# KiCad board CONEPROJ.kicad_pcb (continued)
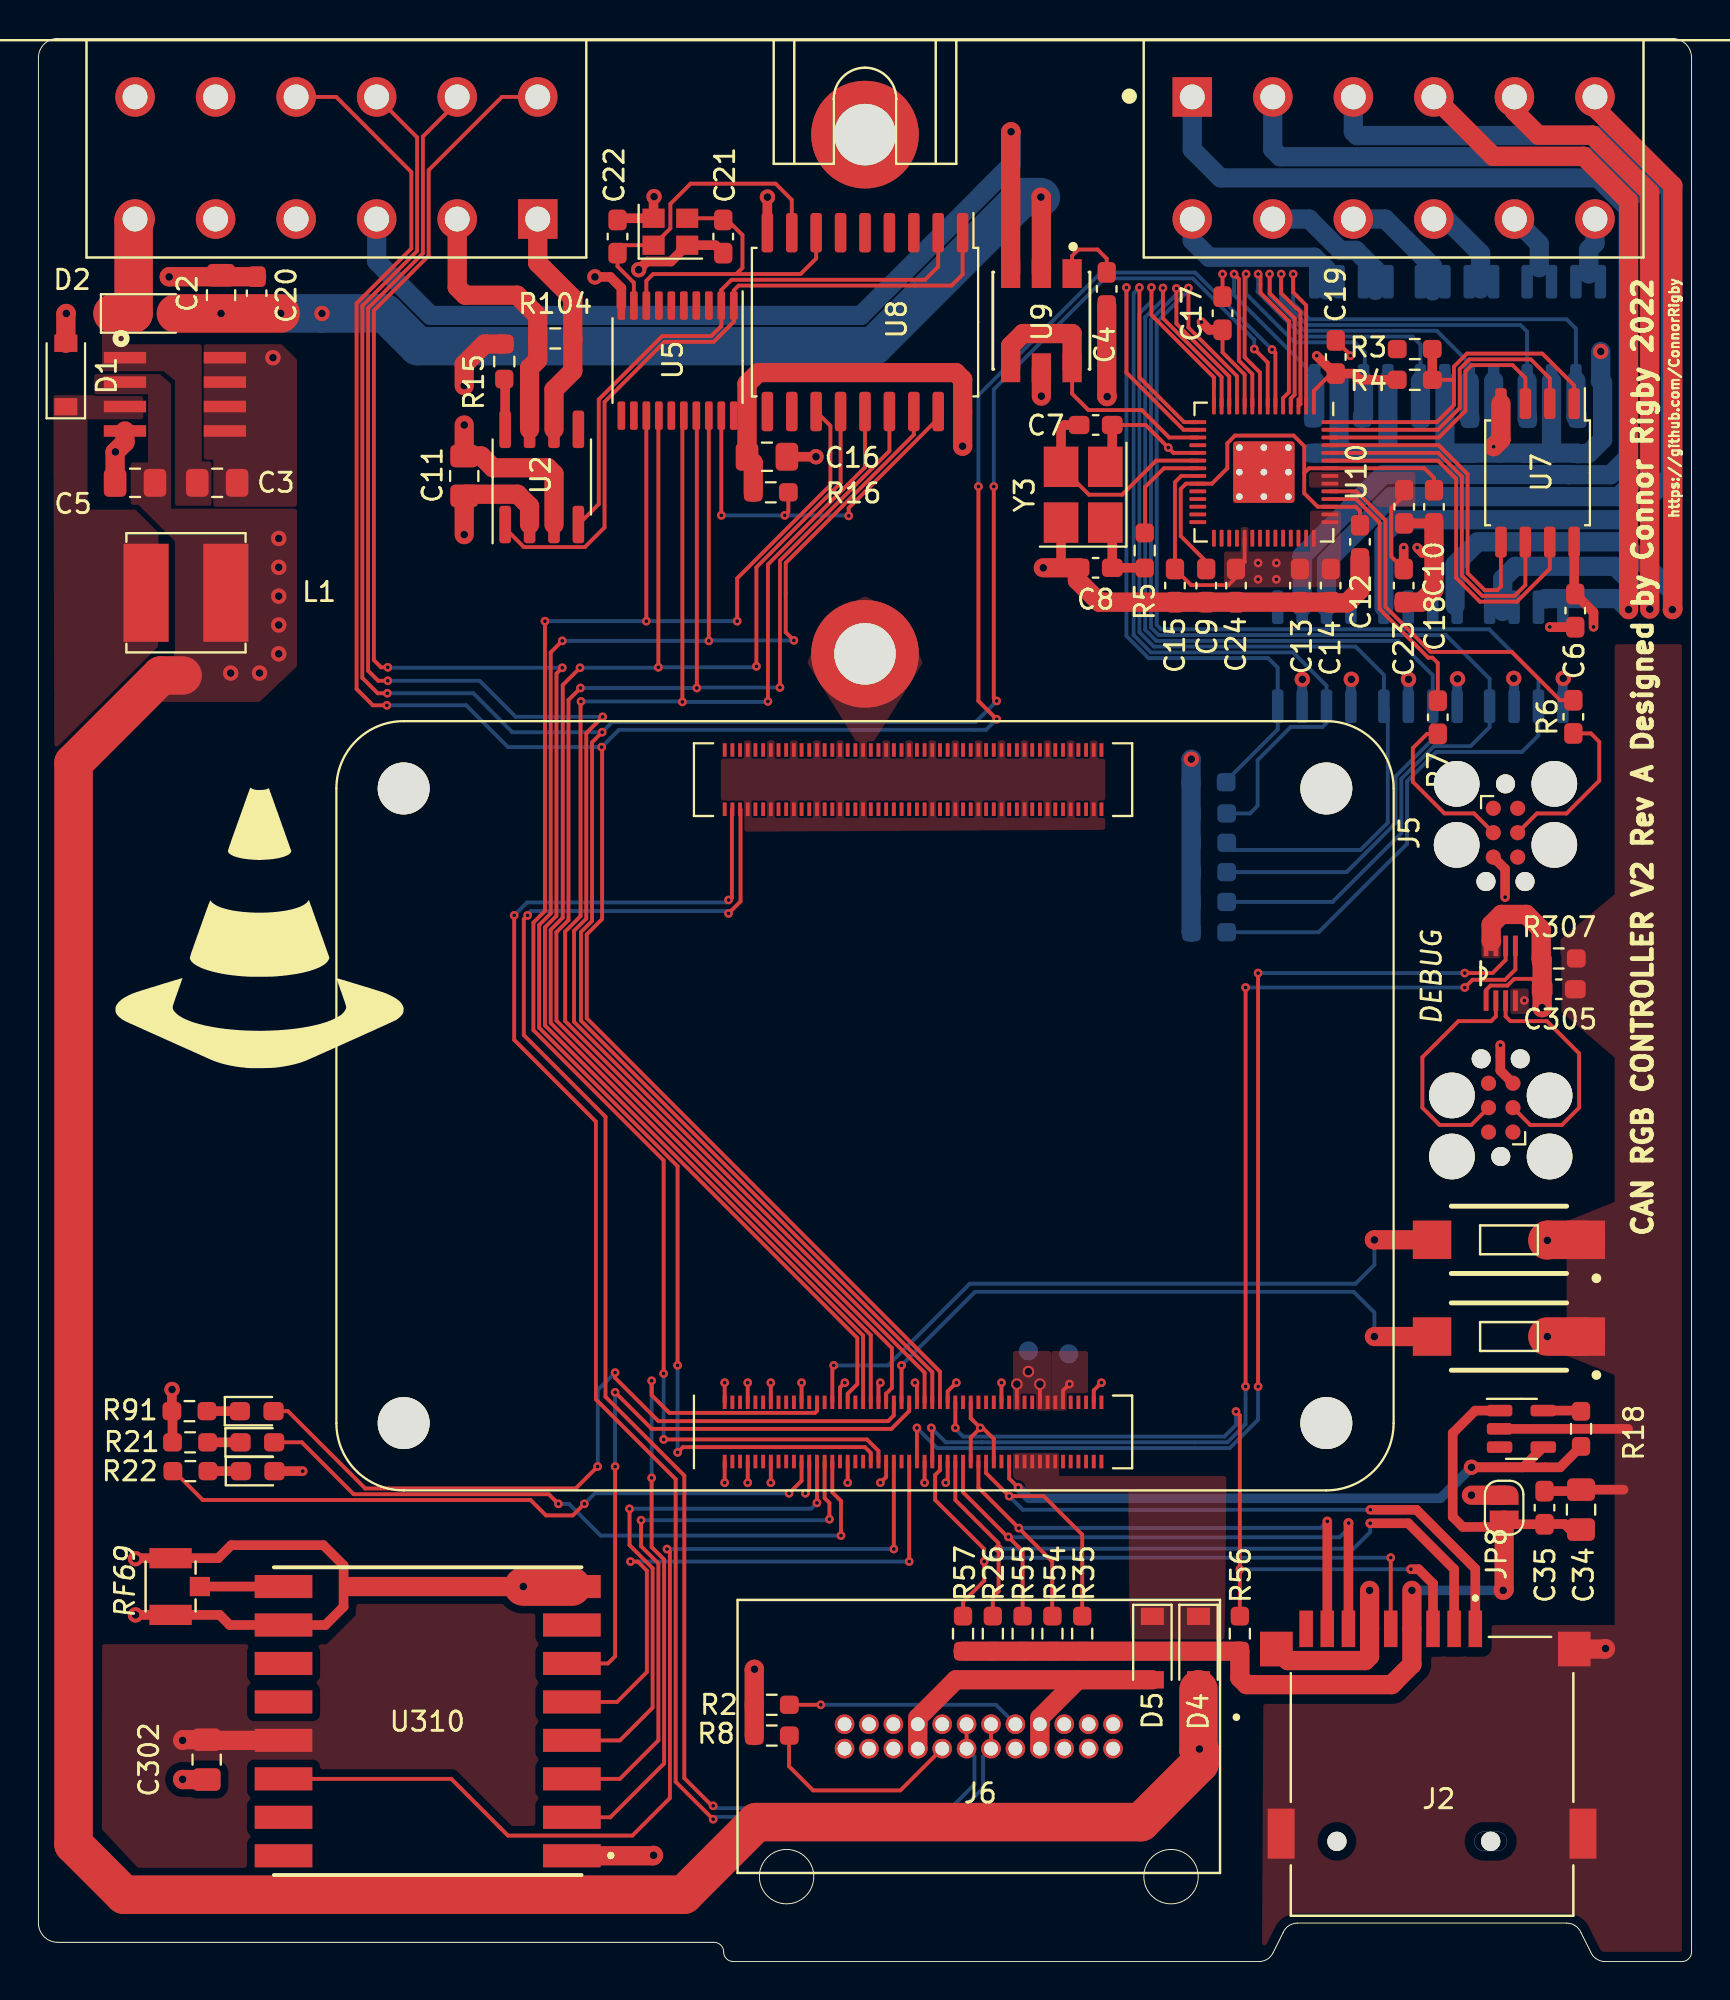
[diagram p0: board, top side]
## Footprints (pads in the part's own frame, mm; a bottom-side part is the same pattern mirrored in y, then rotated) (continued)
TE_DTM1312PA12PBR008
  rect 2.056x2.056 hole 1.294: A1(-17.025,-1.96) B1(17.025,4.39)
  round 2.056 hole 1.294: A2(-21.215,-1.96) A3(-25.405,-1.96) A4(-29.595,-1.96) A5(-33.785,-1.96) A6(-37.975,-1.96) A7(-37.975,4.39) A8(-33.785,4.39) A9(-29.595,4.39) A10(-25.405,4.39) A11(-21.215,4.39) A12(-17.025,4.39) B2(21.215,4.39) B3(25.405,4.39) B4(29.595,4.39) B5(33.785,4.39) B6(37.975,4.39) B7(37.975,-1.96) B8(33.785,-1.96) B9(29.595,-1.96) B10(25.405,-1.96) B11(21.215,-1.96) B12(17.025,-1.96)
TestPoint_Pad_D1.0mm
  round 1 smd: 1(0,0)
TSSOP-20_4.4x6.5mm_P0.65mm
  rrect 1.475x0.4 smd: 1(-2.862,2.925) 2(-2.862,2.275) 3(-2.862,1.625) 4(-2.862,0.975) 5(-2.862,0.325) 6(-2.862,-0.325) 7(-2.862,-0.975) 8(-2.862,-1.625) 9(-2.862,-2.275) 10(-2.862,-2.925) 11(2.862,-2.925) 12(2.862,-2.275) 13(2.862,-1.625) 14(2.862,-0.975) 15(2.862,-0.325) 16(2.862,0.325) 17(2.862,0.975) 18(2.862,1.625) 19(2.862,2.275) 20(2.862,2.925)
worldsemi-WS2815B-MFG
  rect 1.5x1 smd: 1(-2.45,1.6) 2(-2.45,0) 3(-2.45,-1.6) 4(2.45,-1.6) 5(2.45,0) 6(2.45,1.6)
WURTH_693071020811
  round 1 hole 1 unplated: (-4.95,0) (3.05,0)
  rect 0.7x1.9 smd: 1(2.25,11.05) 2(1.15,11.05) 3(0.05,11.05) 4(-1.05,11.05) 5(-2.15,11.05) 6(-3.25,11.05) 7(-4.35,11.05) 8(-5.45,11.05) 9(-6.55,11.05)
  rect 1.7x1.8 smd: 10(-8.1,10) 11(7.4,10)
  rect 1.4x2.6 smd: 12(-7.85,0.4) 13(7.85,0.4)
XCVR_RFM69HW
  rect 3x1.2 smd: 1(-7.5,7) 2(-7.5,5) 3(-7.5,3) 4(-7.5,1) 5(-7.5,-1) 6(-7.5,-3) 7(-7.5,-5) 8(-7.5,-7) 9(7.5,-7) 10(7.5,-5) 11(7.5,-3) 12(7.5,-1) 13(7.5,1) 14(7.5,3) 15(7.5,5) 16(7.5,7)

## Nets
+1V1: C9.1 C10.1 C12.1 U10.23 U10.45 U10.50
+1V8: Module2.88 Module2.90 TP3.1
+3V3: C6.1 C11.1 C13.1 C14.1 C15.1 C16.1 C17.1 C18.1 C19.1 C23.1 C24.1 C302.2 C305.2 D301.2 JP8.1 Module2.78 Module2.84 Module2.86 R4.2 R16.1 R307.1 TP2.1 U2.3 U5.20 U7.8 U8.18 U10.1 U10.10 U10.22 U10.33 U10.42 U10.43 U10.44 U10.48 U10.49 U310.13 U311.1 U311.7 U311.8
+5V: C5.1 D4.2 L1.2 U304.2
/VIN: C3.1 D2.1 J4.B6 U304.1
GND: C2.2 C3.2 C4.2 C5.2 C6.2 C7.2 C8.1 C9.2 C10.2 C11.2 C12.2 C13.2 C14.2 C15.2 C16.2 C17.2 C18.2 C19.2 C20.2 C21.2 C22.1 C23.2 C24.2 C34.2 C35.2 C302.1 C305.1 D1.2 H302.1 H304.1 J2.6 J2.10 J2.11 J2.12 J2.13 J4.B7 J5.5 J6.A1 J6.A12 J6.B1 J6.B12 J304.1 J304.3 J311.5 MOD301.1 Module2.1 Module2.2 Module2.7 Module2.8 Module2.13 Module2.14 Module2.22 Module2.23 Module2.32 Module2.33 Module2.42 Module2.43 Module2.52 Module2.53 Module2.59 Module2.60 Module2.65 Module2.66 Module2.71 Module2.74 Module2.98 Module2.107 Module2.108 Module2.113 Module2.114 Module2.119 Module2.120 Module2.125 Module2.126 Module2.131 Module2.132 Module2.137 Module2.138 Module2.144 Module2.150 Module2.155 Module2.156 Module2.161 Module2.162 Module2.167 Module2.168 Module2.173 Module2.174 Module2.179 Module2.180 Module2.185 Module2.186 Module2.191 Module2.192 Module2.197 Module2.198 PAU301.1 Q2.1 Q2.3 Q3.1 Q3.3 Q4.1 Q4.3 Q5.1 Q5.3 Q6.1 Q6.3 Q7.1 Q7.3 R2.2 R8.1 R9.2 R10.2 R13.2 R14.2 R15.2 R21.2 R23.2 R24.2 R27.2 R29.2 R31.2 R91.2 R302.2 R303.2 R304.2 R307.2 U2.2 U5.10 U6.2 U7.4 U8.9 U9.5 U10.19 U10.57 U304.4 U304.5 U304.6 U304.7 U304.8 U310.1 U310.8 U310.10 U311.4 Y2.2 Y2.4 Y3.2 Y3.4
VCC: C2.1 C20.1 D2.2 U9.2
/B_OUT: J4.A12 Q7.5 Q7.6
/CAN_RX: U2.4 U5.2 U8.2
/CAN_TX: U2.1 U5.1 U8.1
/CANH: J4.B2 R104.2 U2.7
/CANL: J4.B1 R104.1 U2.6
/G_OUT: J4.A11 Q7.7 Q7.8
/GPO_1: Q3.4 R303.1 U10.16
/GPO_1_OUT: J4.A1 Q3.5 Q3.6
/GPO_2: Q3.2 R31.1 U10.15
/GPO_2_OUT: J4.A2 Q3.7 Q3.8
/GPO_3: Q4.4 R304.1 U10.14
/GPO_3_OUT: J4.A3 Q4.5 Q4.6
/GPO_4: Q6.2 R29.1 U10.11
/GPO_4_OUT: J4.A4 Q6.7 Q6.8
/GPO_5: Q6.4 R23.1 U10.12
/GPO_5_OUT: J4.A5 Q6.5 Q6.6
/GPO_6: Q4.2 R302.1 U10.13
/GPO_6_OUT: J4.A6 Q4.7 Q4.8
/GPO_7: Q5.2 R14.1 U10.2
/GPO_7_OUT: J4.A7 Q5.7 Q5.8
/GPO_8: Q5.4 R10.1 U10.3
/GPO_8_OUT: J4.A8 Q5.5 Q5.6
/GPO_9: Q2.2 R13.1 U10.4
/GPO_9_OUT: J4.A9 Q2.7 Q2.8
/I2C1_SCL: J4.B10 Module2.56 U10.7
/I2C1_SDA: J4.B9 Module2.58 U10.6
/LED_GRN: Module2.21 R22.2
/LED_RED: D302.2 Module2.29
/LEDA: U9.4 U9.6 U10.17
/LEDA_OUT: J4.B3 U9.3
/LEDB: Q7.4 R27.1 U10.9
/LEDG: Q7.2 R24.1 U10.8
/LEDR: Q2.4 R9.1 U10.5
/MCP_INT: Module2.41 U5.13 U8.12
/MCP_OSC1: C22.2 U5.9 U8.8 Y2.1
/MCP_OSC2: C21.1 U5.8 U8.7 Y2.3
/MCP_RESET: R16.2 U5.19 U8.17
/MODE_BTN: MOD301.2 Module2.30
/PAUSE_BTN: Module2.48 PAU301.2
/PICO_USB_DM: J5.3 R7.1
/PICO_USB_DP: J5.4 R6.2
/QSPI_SCLK: U7.6 U10.52
/QSPI_SD0: U7.5 U10.53
/QSPI_SD1: U7.2 U10.55
/QSPI_SD2: U7.3 U10.54
/QSPI_SD3: U7.7 U10.51
/QSPI_SS: R3.2 R4.1 U7.1 U10.56
/R_OUT: J4.A10 Q2.5 Q2.6
/RF69_INT: Module2.45 U310.14
/RF69_MISO: Module2.26 U310.2
/RF69_MOSI: Module2.27 U310.3
/RF69_NSS: Module2.49 U310.5
/RF69_RESET: Module2.50 U310.6
/RF69_SCK: Module2.25 U310.4
/RXD0: Module2.51 U311.6
/RXD3: J4.B12 Module2.34
/SD_CLK: J2.5 Module2.57 R57.1
/SD_CMD: J2.3 Module2.62 R56.1
/SD_DAT0: J2.7 Module2.63 R55.1
/SD_DAT1: J2.8 Module2.67 R54.1
/SD_DAT2: J2.1 Module2.69 R35.1
/SD_DAT3: J2.2 Module2.61 R26.1
/SD_DET: J2.9
/SD_PWR: C34.1 C35.1 J2.4 JP8.2 R26.2 R35.2 R54.2 R55.2 R56.2 R57.2 U6.1
/SD_PWR_ON: Module2.75 R18.1 U6.4
/SPI0_CE0_N: Module2.39 U5.18 U8.16
/SPI0_MISO: Module2.40 U5.17 U8.15
/SPI0_MOSI: Module2.44 U5.16 U8.14
/SPI0_SCLK: Module2.38 U5.14 U8.13
/TXD0: Module2.55 U311.5
/TXD3: J4.B11 Module2.54
/USB2_D_N: J6.A6 J6.B7 Module2.103
/USB2_D_P: J6.A7 J6.B6 Module2.105
/USB2_VBUS: D5.2 J6.A4 J6.A9 J6.B4 J6.B9
/USB_BOOT: R3.1
/WIFI_LED: D308.2 Module2.46
Net-(C4-Pad1): C4.1 U9.1
Net-(C7-Pad1): C7.1 U10.20 Y3.3
Net-(C8-Pad2): C8.2 R5.2 Y3.1
Net-(D1-Pad1): D1.1 L1.1 U304.3
Net-(D4-Pad1): D4.1 D5.1 Module2.77 Module2.79 Module2.81 Module2.83 Module2.85 Module2.87
Net-(D301-Pad1): D301.1 R22.1
Net-(D302-Pad1): D302.1 R21.1
Net-(D308-Pad1): D308.1 R91.1
Net-(J6-PadA5): J6.A5 R2.1
Net-(J6-PadB5): J6.B5 R8.2
Net-(J304-Pad2): J304.2 U310.9
Net-(J311-Pad3): J311.3 U311.3
Net-(J311-Pad4): J311.4 U311.2
Net-(R5-Pad1): R5.1 U10.21
Net-(R6-Pad1): R6.1 U10.47
Net-(R7-Pad2): R7.2 U10.46
Net-(R15-Pad1): R15.1 U2.8
Net-(R18-Pad2): R18.2 U6.5

Pads without a net: J4 B4 B5 B8; J5 1 2 6; J6 A2 A3 A8 A10 A11 B2 B3 B8 B10 B11; J311 1 2 6; Module2 3 4 5 6 9 10 11 12 15 16 17 18 19 20 24 28 31 35 36 37 47 64 68 70 72 73 76 80 82 89 91 92 93 94 95 96 97 99 100 101 102 104 106 109 110 111 112 115 116 117 118 121 122 123 124 127 128 129 130 133 134 135 136 139 140 141 142 143 145 146 147 148 149 151 152 153 154 157 158 159 160 163 164 165 166 169 170 171 172 175 176 177 178 181 182 183 184 187 188 189 190 193 194 195 196 199 200; U2 5; U5 3 4 5 6 7 11 12 15; U6 3; U8 3 4 5 6 10 11; U10 18 24 25 26 27 28 29 30 31 32 34 35 36 37 38 39 40 41; U310 7 11 12 15 16

## Via types
v1: diameter 0.8, hole 0.4, Top to Bottom, 59 vias
v2: diameter 0.45, hole 0.2, Top to Bottom, 136 vias
v3: diameter 0.6, hole 0.4, Top to Bottom, 3 vias

## Routing (per net, layer and track width the routed paths; a pad name or vN(x,y) marks a point on that pad's centre or on a via; arc(x,y) is an arc through that point)
+1V1: length 27.4
  Top w0.2: C9.1 60.75,72.8 59.42,74.13 59.42,76.57 59.7,76.85 U10.23 61.05,76.85 61.85,77.65 61.85,78.95 62.25,79.35 65.3,79.35 65.85,78.8 65.85,77.4 ; 65.85,77.4 66.1,77.65 U10.50 72.1,77.65 72.6,77.15 C10.1 ; 65.85,77.4 65.85,76.35 66.55,75.65 U10.45 68.52,75.65 68.75,75.42 C12.1
+1V8: length 1.1
  Top w0.2: v2(53.64,30.03) 53.3,29.69 Module2.90
+3V3: length 87.9
  Top w0.2: U10.1 66.35,81.67 67.25,82.57 C19.1 ; U10.22 59.45,77.25 59.12,76.92 C15.1 59.96,71.58 61.9,71.58 62.3,71.97 C24.1 62.39,72.41 62.75,72.78 U10.33 ; U10.10 62.75,82.52 61.6,83.67 C17.1 ; U311.1 75.31,50.52 75.54,50.75 76.42,50.75 76.77,51.1 77.69,51.1 C305.2 ; C18.1 71.05,76.25 70.37,75.57 70.37,73.06 C23.1 ; 65.99,72.41 C13.1 ; Module2.78 v3(50.9,30.03) ; Module2.84 v3(52.1,30.03)
  Top w0.5: v2(66.5,83.5) 67.43,82.57 C19.1 68.43,82.57 68.75,82.25 R4.2 ; C17.1 60.9,84.85 v2(60.5,85.25) ; D301.2 v2(13.75,25.5) ; v2(80.9,69.4) 80.9,70.16 C6.1 ; U7.8 79.89,71.17 ; C23.1 v2(71.03,73.53)
  Top w1: v1(22.15,79.9) C11.1 23.04,78.29 23.65,77.67 26.5,77.67 26.82,77.36 26.82,74.72 ; v1(78.22,49.6) 78.23,49.6 C305.2 78.23,52.11 R307.1 78.18,53.67 77.4,54.45 76.11,54.45 75.58,53.92 75.58,53.08 75.6,53.05 ; U310.13 8.79,11.5 C302.2 7.54,11.54 v1(7.5,11.5) ; v1(48.08,78.8) 48.08,78.81 U8.18 48.08,82.27 47.72,82.62 37.45,82.62 36.86,82.04 C16.1 37.19,77.92 R16.1 ; JP8.1 v1(74.55,24.25)
  vias: v2(63.45,72.72) v2(63.45,71.88) v2(64.4,72.72) v2(64.4,71.88) v3(51.5,30.67)
+5V: length 130.7
  Top w1: D4.2 60.35,14.15
  Top w2: 7.5,66.88 6.38,66.88 1.82,62.33 1.82,6.1 4.45,3.47 33.58,3.47 37.35,7.25 57.35,7.25 60.4,10.3 v1(60.4,11.05) 60.35,11 60.35,14.15
  vias: v1(10,67) v1(11.5,67) v1(12.5,74) v1(12.5,72.5) v1(12.5,71) v1(12.5,69.5) v1(12.5,68)
/VIN: length 6
  Top w2: D2.1 4.95,85.7 4.95,90.54 J4.B6
GND: length 246
  Top w0.2: Module2.14 v2(38.1,30.1) ; Module2.43 44.1,25.2 v2(43.8,24.9) ; Module2.2 v2(35.7,30.1) ; v2(55.3,30.1) 54.9,29.7 Module2.98 ; Module2.65 48.5,27.25 v2(49,27.75) ; v2(49,27.75) 49.12,27.75 49.7,27.17 Module2.71 ; v2(49,27.75) 48.5,28.25 Module2.66 ; Module2.33 v2(42.1,24.9) ; Module2.23 40.1,24.55 v2(39.9,24.35) ; Module2.53 v2(46.1,24.9) ; Module2.13 v2(38.1,24.9) ; Module2.59 47.3,25 v2(47.2,24.9) ; v2(43.8,30.1) 43.7,30 Module2.42 ; v2(41.95,30.1) 41.7,29.85 Module2.32 ; v2(45.6,30.1) 45.7,30 Module2.52 ; C19.2 68.25,83.54 v2(68.25,83.5) ; U10.19 59.05,78.45 v2(58.78,78.72) 57.6,79.9 C7.2 ; v2(36.9,24.9) Module2.7 ; v2(47.75,30.1) 47.3,29.65 Module2.60 ; Module2.74 v2(50.1,30.1) ; C17.2 v2(61.6,87.75) ; Module2.1 v2(35.7,24.9) ; Module2.8 v2(36.9,30.1) ; Module2.22 v2(39.7,30.1)
  Top w0.5: U6.2 82.7,27.7 ; v1(28.95,87.6) 29.75,87.6 30.33,87.03 U5.10 ; J311.5 76.05,46.33 76.05,47.65 v2(76.05,47.65) ; C35.2 80.17,24.46 C34.2 82.46,24.54 ; U8.9 37.92,91.75 v1(37.92,91.75) ; v1(31.23,87.97) 31.65,88.4 32.9,88.4 Y2.2 35.21,89.25 C21.2 ; J5.5 76.3,56.81 v2(76.3,55.35) ; v2(78.62,69.4) 78.64,69.39 C6.2 ; Y3.4 53.2,72.78 53.55,72.42 54.09,72.42 ; C10.2 C18.2 ; 55.5,77.72 55.86,78.09 C7.2 ; v1(6.95,29.75) 6.94,29.74 R91.2 6.98,28.59 6.98,27 ; v1(5.05,20.95) 5.07,20.97 J304.3 9.35,20.97 10.02,21.65 14.83,21.65 15.88,20.6 15.88,18.45 14.92,17.5 U310.10 9.95,17.5 9.42,18.03 J304.1 v1(5.05,18.03) ; v2(71.72,73.53) 72,73.25 72.6,73.25 ; C16.2 v1(40.45,78.25) ; 80,32.5 v1(78.5,32.5) ; v1(32.02,91.78) 32,91.75 Y2.4 30.21,90.65 C22.1
  Top w1: C23.2 71.94,70.69 72.6,71.35 C10.2 ; C12.2 68.75,71.33 68.08,70.65 67.26,70.65 C14.2 C13.2 C24.2 C15.2 55.19,70.69 54.05,71.83 54.05,72.39 C8.1 v1(52.28,72.47) ; U304.4 4.5,79 v1(4,78.5) 3.99,78.49 C5.2 ; D1.2 1.43,85.67 v1(1.45,85.7) ; C20.2 6.81,87.61 v1(6.8,87.6) ; v1(7.5,9.47) 7.51,9.46 C302.1 ; v1(55.6,81.38) 55.58,81.4 C4.2 ; v1(32,5.53) 31.98,5.5 U310.1 ; v2(75.7,78.77) 76.08,79.15 U7.4 ; J2.11 81.5,16.25 v1(81.53,16.28) ; U9.5 v1(52.17,81.4) ; v1(37.25,15.2) 37.24,15.19 R2.2 R8.1 ; R15.2 23.21,84.11 22.15,83.05 v1(22.15,81.95) ; v1(22.15,74.2) C11.2 22.24,76.3 24.93,76.3 25.55,75.67 25.55,74.72 ; v1(25.23,19.5) 16.23,19.5 ; v1(69.25,19.3) J2.6 69.25,15.88 69.03,15.65 65,15.65 J2.10
  Top w2: v1(78.5,37.5) 78.53,37.53 MOD301.1 ; PAU301.1 v1(78.5,32.5) ; U310.8 v1(25.23,19.5)
  Bottom w0.5: 73.81,65.28 73.81,66.68 v1(73.83,66.7) ; 79.31,65.28 79.31,66.7 v1(79.33,66.72) ; v1(76.75,66.72) 76.77,66.71 76.77,65.28 ; 65.74,65.28 65.74,66.67 v1(65.75,66.67) ; 68.28,65.28 68.28,66.66 v1(68.3,66.67) ; v1(71.28,66.67) 71.27,66.67 71.27,65.28
  Bottom w1: 78.72,82.2 78.72,78.44 78.71,78.44 ; R29.2 59.96,53.55 R303.2 59.96,62.51 v1(59.97,62.53) ; Q7.1 70.2,78.7 69.94,78.44 ; 78.71,78.44 80.05,78.44 R14.2 80.64,78.41 81.38,79.15 81.38,82.08 Q5.1 81.28,82.22 v1(81.28,83.72) ; 78.71,78.44 76.04,78.44 ; 68.06,78.44 69.94,78.44 ; 68.06,78.44 67.67,78.84 Q7.3 ; 68.06,78.44 R27.2 ; 69.94,78.44 72.91,78.44 ; 72.91,78.44 76.04,78.44 ; 72.91,78.44 73.17,78.69 Q2.3 ; 76.04,78.44 v2(75.7,78.77) Q2.1
  vias: v1(12.2,83.4) v2(77.3,49.97)
VCC: length 52.9
  Top w1: v1(52.15,91.75) 52.17,91.72 U9.2
  Top w2: v1(12.6,85.7) D2.2
  Bottom w2: v1(12.6,85.7) v1(14.75,85.7) 18.04,85.7 19.74,84 43.45,84 51.2,91.75 v1(52.15,91.75)
  vias: v1(9.5,85.7)
/B_OUT: length 9.8
  Bottom w1: 67,86.92 67,88 66.38,88.62 60.9,88.62 60.03,89.5 J4.A12
/CAN_RX: length 30.3
  Top w0.2: U8.2 46.81,88.13 46.13,87.45 36.05,87.45 35.52,86.92 U5.2 35.52,85.05 35,84.53 32.45,84.53 29.15,81.22 29.15,75.78 28.09,74.72
/CAN_TX: length 37.2
  Top w0.2: 24.28,74.72 24.28,74.53 25.26,73.55 28.43,73.55 29.45,74.57 29.45,81.1 32.57,84.23 35.12,84.23 36.17,85.28 U5.1 36.17,86.9 36.43,87.15 45.58,87.15 45.58,87.15 47.5,87.15 48.08,87.73 U8.1
/CANH: length 14.4
  Top w1: U2.7 25.55,82.87 25.97,83.29 R104.2 25.97,85.58 24.9,86.65 22.2,86.65 21.78,87.06 J4.B2
/CANL: length 12.1
  Top w1: J4.B1 25.98,88.33 27.8,86.5 R104.1 27.8,82.71 26.82,81.73 U2.6
/G_OUT: length 7.5
  Bottom w1: J4.A11 66.1,90.61 67.73,88.98 68.54,88.98 69.55,87.97 69.55,86.9
/GPO_1: length 43.1
  Top w0.2: U10.16 59.57,79.65 56.6,82.62 v2(56.6,87.05)
  Bottom w0.2: R303.1 61.79,61.39 64.47,64.07 64.47,67.28 63.97,67.78 57.75,67.78 56.6,68.93 v2(56.6,87.05)
/GPO_1_OUT: length 61.4
  Bottom w1: Q3.6 65.74,73.09 69.97,77.33 79.61,77.33 79.62,77.31 81.79,77.31 82.7,78.22 82.7,91.19 81.14,92.75 61.5,92.75 60.03,94.22 J4.A1
/GPO_2: length 48.5
  Top w0.2: U10.15 59.6,80.05 57.28,82.37 v2(57.28,87.05)
  Bottom w0.2: 56.97,69 56.97,86.75 v2(57.28,87.05) ; R31.1 63.03,59.7 63.42,60.1 63.42,62.47 65.15,64.2 66.8,64.2 67.01,64.41 67.01,66.34 65.27,68.08 57.87,68.08 56.97,68.98 56.97,69.01
/GPO_2_OUT: length 58.5
  Bottom w1: J4.A2 64.22,94.23 64.6,93.85 81.59,93.85 83.8,91.64 83.8,77.77 82.21,76.18 70.38,76.18 67.01,72.81 Q3.7
/GPO_3: length 56.5
  Top w0.2: v2(57.9,87.05) 57.9,85.62 61.15,82.38 61.15,81.95 ; 61.15,81.95 U10.14 ; 61.15,81.95 61.15,82.2
  Bottom w0.2: v2(57.9,87.05) 57.9,86.33 57.27,85.7 57.27,69.13 58.03,68.38 68.52,68.38 70,66.91 70,65.28 70.2,65.07 70.2,59.22 68.78,57.8 62.19,57.8 R304.1
/GPO_3_OUT: length 54.4
  Bottom w1: J4.A3 68.41,95.14 68.6,94.95 82.05,94.95 84.9,92.1 84.9,77.25 82.62,74.97 70.73,74.97 70,74.24 Q4.5
/GPO_4: length 71.7
  Top w0.2: v2(59.83,87.03) 59.83,84.97 62.35,82.45 U10.11
  Bottom w0.2: v2(59.83,87.03) 59.83,86.9 58.17,85.25 58.17,69.5 58.4,69.28 75.47,69.28 78.03,66.72 78.03,63.76 77.17,62.9 72.72,62.9 71.2,61.38 71.2,58.12 66.6,53.53 R29.1
/GPO_4_OUT: length 38.2
  Top w1: J4.A4 75.68,93.88 80.39,93.88 82.72,91.54 v1(82.72,70.3)
  Bottom w1: v1(82.72,70.3) 82.15,70.88 78.4,70.88 78.38,70.85
/GPO_5: length 65.8
  Top w0.2: U10.12 61.95,82.42 59.2,85.17 v2(59.2,87)
  Bottom w0.2: v2(59.2,87) 59.2,86.7 57.87,85.37 57.87,69.38 58.28,68.98 73.22,68.98 75.5,66.7 75.5,64.19 74.5,63.2 72.6,63.2 70.9,61.5 70.9,58.68 67.33,55.1 R23.1
/GPO_5_OUT: length 42
  Top w1: J4.A5 76.78,96.22 78.03,94.97 80.85,94.97 83.82,92 v1(83.82,70.33)
  Bottom w1: 76.17,70.2 76.17,71.9 76.83,72.55 82.03,72.55 83.82,70.76 v1(83.82,70.33)
/GPO_6: length 59.8
  Top w0.2: v2(58.5,87.03) 58.5,85.45 61.55,82.4 U10.13
  Bottom w0.2: R302.1 68.05,56.65 70.6,59.2 70.6,61.62 72.53,63.56 72.53,66.89 70.75,68.68 58.15,68.68 57.58,69.25 57.58,85.5 58.5,86.42 v2(58.5,87.03)
/GPO_6_OUT: length 44.3
  Top w1: v1(85,70.3) 85.03,70.33 85.03,92.35 80.97,96.4 J4.A6
  Bottom w1: 73.7,70.5 73.7,72.65 74.88,73.83 82.4,73.83 85,71.22 v1(85,70.3)
/GPO_7: length 28.6
  Top w0.2: U10.2 65.95,86.12 65.28,86.8 v2(65.28,87.75)
  Bottom w0.2: v2(65.28,87.75) 65.28,86.25 66.12,85.4 79.5,85.4 79.98,84.91 Q5.2
  Bottom w1: R14.1 79.98,80.33 Q5.2
/GPO_7_OUT: length 3
  Bottom w1: J4.A7 80.97,89.35 80.65,89.03 80.65,87.75
/GPO_8: length 26.7
  Top w0.2: U10.3 65.65,80.99 65.65,85.78 65.48,85.95 65.45,85.95 64.65,86.75 v2(64.65,87.75)
  Bottom w0.2: v2(64.65,87.75) 64.65,86.45 66,85.1 77.1,85.1 77.44,84.75 Q5.4
  Bottom w1: R10.1 77.44,80.27 Q5.4
/GPO_8_OUT: length 3.1
  Bottom w1: 78.08,88.08 78.08,89.32 J4.A8
/GPO_9: length 23.3
  Top w0.2: U10.4 65.15,81.28 65.35,81.48 65.35,85.45 64.05,86.75 v2(64.05,87.75)
  Bottom w0.2: v2(64.05,87.75) 64.05,86.62 65.88,84.8 72.75,84.8 74.44,83.11 Q2.2
  Bottom w1: R13.1 74.44,80.28 Q2.2
/GPO_9_OUT: length 5
  Bottom w1: 75.03,86.97 75.03,88.83 73.24,90.61 J4.A9
/I2C1_SCL: length 147.2
  Top w0.2: v2(63.25,83.85) 63.95,83.15 U10.7 ; J4.B10 19.7,94.85 19.7,88.95 16.85,86.1 16.85,66.75 17.65,65.95 v2(18.15,65.95) ; v2(29.33,63.92) 28.8,63.4 28.8,54.11 28.22,53.53 28.22,48.92 46.5,30.65 Module2.56 ; v2(49.7,76.7) 49.7,65.7 v2(49.85,65.55)
  Bottom w0.2: v2(49.85,65.55) 48.75,64.45 29.85,64.45 v2(29.33,63.92) 24.65,63.92 22.62,65.95 v2(18.15,65.95) ; v2(49.7,76.7) 49.7,81.75 55.47,87.53 60.05,87.53 63.25,84.33 v2(63.25,83.85)
/I2C1_SDA: length 152.7
  Top w0.2: J4.B9 15.49,96.96 19.4,93.05 19.4,89.08 16.55,86.22 16.55,66.17 17.4,65.33 v2(18.12,65.33) ; Module2.58 46.9,30.67 28.52,49.05 28.52,53.41 29.33,54.21 29.33,63.12 v2(29.3,63.15) ; v2(48.9,76.7) 48.9,65.55 v2(49.85,64.6) ; U10.6 64.35,83.65 v2(64.17,83.83)
  Bottom w0.2: v2(18.12,65.33) 22.25,65.33 24.42,63.15 v2(29.3,63.15) 30.2,64.05 49.3,64.05 v2(49.85,64.6) ; v2(64.17,83.83) 60.18,87.82 55.27,87.82 48.9,81.45 v2(48.9,76.7)
/LED_GRN: length 35.4
  Top w0.2: v2(28.4,23.8) 27.8,23.2 26.4,23.2 25.6,24 8.55,24 7.05,25.5 R22.2 ; v2(39.05,24.35) 39.7,25 Module2.21
  Bottom w0.2: v2(28.4,23.8) 28.95,24.35 v2(39.05,24.35)
/LED_RED: length 35.5
  Top w0.2: D302.2 13.7,27 16.4,24.3 26.55,24.3 v2(27.05,23.8) ; v2(41.75,22.15) 41.75,23.95 41.3,24.4 Module2.29
  Bottom w0.2: v2(41.75,22.15) 29.25,22.15 27.6,23.8 v2(27.05,23.8)
/LEDA: length 15.2
  Top w0.2: U10.17 58.83,79.25 57.4,80.67 54.62,80.67 53.78,81.53 53.78,82.88
  Top w1: U9.4 50.58,84.02 51.22,84.66 53.78,84.66 53.78,82.88
/LEDA_OUT: length 48.7
  Top w1: U9.3 50.58,95.12 v1(50.6,95.15)
  Bottom w1: v1(50.6,95.15) 50.6,93.41 42.79,85.6 20.4,85.6 17.59,88.41 J4.B3
/LEDB: length 16.5
  Top w0.2: v2(62.2,87.75) 62.45,87.5 62.45,83.25 63.15,82.55 U10.9
  Bottom w0.2: Q7.4 66.39,82.45 62.2,86.65 v2(62.2,87.75)
  Bottom w1: Q7.4 66.39,80.33 R27.1
/LEDG: length 19.2
  Top w0.2: v2(62.83,87.75) 62.75,87.67 62.75,83.42 63.55,82.62 U10.8
  Bottom w0.2: v2(62.83,87.75) 62.83,86.72 65.35,84.2 68.48,84.2 69,83.67 69,82.27 Q7.2
  Bottom w1: Q7.2 68.94,80.32 R24.1
/LEDR: length 22
  Top w0.2: U10.5 64.75,81.3 65.05,81.6 65.05,85.3 63.58,86.78 63.58,87.62 v2(63.45,87.75)
  Bottom w0.2: Q2.4 71.89,84.08 71.48,84.5 65.75,84.5 63.42,86.83 63.42,86.9 63.45,86.92 v2(63.45,87.75)
  Bottom w1: Q2.4 71.89,80.24 R9.1
/MCP_INT: length 91.5
  Top w0.2: v2(36.35,69.7) 36.35,71.92 41.2,76.78 41.2,79.86 U8.12 ; v2(32.52,27.15) 43.1,27.15 43.7,26.55 Module2.41 ; v2(26.35,69.7) 26.35,54.62 25.75,54.02 25.75,48.43 32.52,41.66 v2(32.52,30.58) ; v2(31.62,69.7) U5.13
  Bottom w0.2: v2(36.35,69.7) v2(31.62,69.7) v2(26.35,69.7) ; v2(32.52,27.15) v2(32.52,30.58)
/MCP_OSC1: length 16.4
  Top w0.2: U8.8 39.19,91.61 38.35,92.45 33.92,92.45 32.88,91.4 32.88,90.12 Y2.1 30.54,89.25 C22.2 30.12,88.15 30.98,87.3 U5.9
/MCP_OSC2: length 17.2
  Top w0.2: 36.3,87.75 31.98,87.75 31.62,87.4 U5.8 ; 36.3,87.75 39.65,87.75 40.46,88.56 U8.7 ; 36.3,87.75 36.62,88.08 36.62,89.78 35.84,90.56 C21.1 ; Y2.3 35.54,90.65
/MCP_RESET: length 20.5
  Top w0.2: v2(42.15,75.17) 42.15,75.58 46.81,80.24 U8.17 ; U5.19 v2(35.52,75.2) ; v2(38.83,75.2) 39.01,75.39 R16.2
  Bottom w0.2: v2(42.15,75.17) 42.12,75.2 v2(38.83,75.2) v2(35.52,75.2)
/MODE_BTN: length 36.5
  Top w0.2: v2(41.38,31) 41.3,30.92 Module2.30
  Top w1: v1(69.5,37.53) 69.5,37.53 MOD301.2
  Bottom w0.2: v2(41.38,31) 44.2,31 48.45,35.25 68.53,35.25 69.5,36.22 v1(69.5,37.53)
/PAUSE_BTN: length 32.8
  Top w0.2: Module2.48 v2(44.9,31)
  Top w1: PAU301.2 v1(69.5,32.5)
  Bottom w0.2: v2(44.9,31) 48.72,34.83 68.42,34.83 69.5,33.75 v1(69.5,32.5)
/PICO_USB_DM: length 8.6
  Top w0.2: J5.3 74.68,59.7 73.14,59.7 71.5,61.35 71.5,63.1 72.24,63.84 R7.1
/PICO_USB_DP: length 8.9
  Top w0.2: J5.4 77.95,59.7 79.49,59.7 81.2,61.41 81.2,63.42 80.76,63.86 R6.2
/QSPI_SCLK: length 18.7
  Top w0.2: U10.52 72.82,78.45 74.05,77.22 74.05,72.07 75.11,71.01 76.79,71.01 77.35,71.58 U7.6
/QSPI_SD0: length 17.4
  Top w0.2: U10.53 72.85,78.85 74.35,77.35 74.35,72.2 75.24,71.31 75.89,71.31 76.08,71.51 U7.5
/QSPI_SD1: length 15.9
  Top w0.2: U7.2 78.62,82.33 77.64,83.31 74.44,83.31 73.94,82.81 73.94,80.79 72.8,79.65 U10.55
/QSPI_SD2: length 14.5
  Top w0.2: U7.3 77.35,82.35 76.69,83.01 74.56,83.01 74.24,82.69 74.24,80.64 72.85,79.25 U10.54
/QSPI_SD3: length 19.6
  Top w0.2: U7.7 78.62,72.42 76.91,70.71 74.99,70.71 73.75,71.95 73.75,77.1 72.8,78.05 U10.51
/QSPI_SS: length 19.7
  Top w0.2: U10.56 72.75,80.05 73.64,80.94 73.64,82.24 ; 73.64,82.24 73.63,82.25 R4.1 ; 73.64,82.24 73.64,82.94 74.31,83.61 78.24,83.61 79.89,81.96 U7.1
  Top w0.5: R3.2 R4.1
/R_OUT: length 6.4
  Bottom w1: 72.53,86.88 72.53,88.15 70.06,90.61 J4.A10
/RF69_INT: length 51.5
  Top w0.2: v2(32.7,21.45) 32.85,21.3 32.85,8.5 30.9,6.55 24.42,6.55 21.48,9.5 U310.14 ; Module2.45 v2(44.5,21.45)
  Bottom w0.2: v2(32.7,21.45) v2(44.5,21.45)
/RF69_MISO: length 36.4
  Top w0.2: v2(31.9,25.15) 31.9,21.55 32.55,20.9 32.55,10.3 29.75,7.5 U310.2 ; Module2.26 40.5,28.63 40.4,28.53 32.82,28.53 31.9,29.45 v2(31.9,30.2)
  Bottom w0.2: v2(31.9,30.2) v2(31.9,25.15)
/RF69_MOSI: length 30.1
  Top w0.2: v2(31.35,22.95) 31.35,21.6 32.25,20.7 32.25,11.5 30.25,9.5 U310.3 ; Module2.27 40.9,24.1 41.15,23.85 v2(41.15,23)
  Bottom w0.2: v2(31.35,22.95) 41.1,22.95 v2(41.15,23)
/RF69_NSS: length 30.6
  Top w0.2: v2(30.8,20.8) 31.18,20.8 31.65,20.33 31.65,15.05 30.1,13.5 U310.5 ; Module2.49 v2(45.3,20.8)
  Bottom w0.2: v2(30.8,20.8) v2(45.3,20.8)
/RF69_RESET: length 33.1
  Top w0.2: v2(30,29.6) 31.9,27.7 44.38,27.7 45.3,28.62 Module2.50 ; v2(30,25.74) 30,15.88 29.62,15.5 U310.6
  Bottom w0.2: v2(30,29.6) v2(30,25.74)
/RF69_SCK: length 27.8
  Top w0.2: v2(30.75,23.54) 30.75,21.65 31.95,20.45 31.95,13.2 30.25,11.5 U310.4 ; Module2.25 v2(40.5,23.85)
  Bottom w0.2: v2(40.5,23.85) 40.2,23.55 30.76,23.55 v2(30.75,23.54)
/RXD0: length 57.7
  Top w0.2: v2(63.45,29.9) v2(63.45,51.4) ; U311.6 76.33,52.08 75.65,51.4 v2(74.2,51.4) ; Module2.51 v2(45.7,27.75)
  Bottom w0.2: v2(74.2,51.4) v2(63.45,51.4) ; v2(45.7,27.75) 46.75,26.7 61.97,26.7 63.45,28.18 v2(63.45,29.9)
/RXD3: length 89.4
  Top w0.2: Module2.34 42.1,29.53 42.6,30.03 42.6,32.43 26.35,48.68 26.35,53.78 26.95,54.38 26.95,66.97 v2(27.25,67.28) ; v2(18.17,67.3) 17.83,67.3 17.45,67.68 17.45,85.85 20.3,88.7 20.3,93.15 24.11,96.96 J4.B12
  Bottom w0.2: v2(18.17,67.3) 18.2,67.28 v2(27.25,67.28)
/SD_CLK: length 34.6
  Top w0.2: Module2.57 46.9,25.55 46.65,25.3 46.65,24 49.2,21.45 v2(49.2,20.8) 49.2,19.8 48.1,18.7 R57.1 ; J2.5 v2(70.35,21)
  Bottom w0.2: v2(49.2,20.8) 49.4,21 v2(70.35,21)
/SD_CMD: length 40.5
  Top w0.2: v2(47.7,27.75) Module2.62 ; R56.1 v2(62.5,20.4) 62.5,28.4 v2(62.3,28.6)
  Top w0.5: v2(71.4,20.4) 71.8,20.4 72.55,19.65 J2.3
  Bottom w0.2: v2(62.5,20.4) v2(71.4,20.4) ; v2(47.7,27.75) 47.7,27.7 48.1,27.3 61.7,27.3 62.3,27.9 v2(62.3,28.6)
/SD_DAT0: length 33
  Top w0.2: R55.1 51.2,21.34 v2(50.46,22.08) 50.42,22.08 48.1,24.4 Module2.63
  Top w0.5: v2(68.16,22.8) 68.15,22.8 J2.7
  Bottom w0.2: v2(50.46,22.08) 50.48,22.06 67.68,22.06 68.16,22.54 v2(68.16,22.8)
/SD_DAT1: length 31.4
  Top w0.2: R54.1 52.74,17.97 52.74,20.8 v2(51,22.54) 48.9,24.64 Module2.67
  Top w0.5: v2(67.05,22.89) J2.8
  Bottom w0.2: v2(67.05,22.89) 66.71,22.55 51.01,22.55 v2(51,22.54)
/SD_DAT2: length 40.1
  Top w0.2: Module2.69 49.3,25.4 v2(50.5,24.2) 52.3,24.2 54.3,22.2 R35.1
  Top w0.5: v2(69.29,23.49) 71.69,23.49 74.75,20.43 J2.1
  Bottom w0.2: v2(50.5,24.2) 51.21,23.49 v2(69.29,23.49)
/SD_DAT3: length 37.7
  Top w0.2: Module2.61 47.7,24 49.94,21.76 v2(49.94,21.47) 49.95,21.46 49.95,19.25 49.65,18.95 R26.1
  Top w0.5: J2.2 73.65,20.4 71.26,22.79 v2(69.28,22.79)
  Bottom w0.2: v2(69.28,22.79) 69.28,22.33 68.42,21.47 v2(49.94,21.47)
/SD_PWR: length 52.2
  Top w0.5: C34.1 79.69,22.46 79.4,22.75 78.36,22.75 C35.1 76.46,22.74 JP8.2 75.9,22.6 74.1,22.6 73.58,23.12 73.58,27.47 74.75,28.65 U6.1
  Top w1: v1(76.2,19.3) 76.25,19.35 JP8.2 ; 70.55,14.55 70.4,14.4 62.85,14.4 62.5,14.75 R56.2 R57.2 ; v1(71.45,19.3) J2.4 71.45,15.45 70.5,14.5
  Bottom w0.5: v1(71.45,19.3) v1(76.2,19.3)
/SD_PWR_ON: length 36.3
  Top w0.2: v2(50.97,24.65) 50.5,25.12 Module2.75
  Top w0.5: R18.1 79.16,25.7 v1(74.55,25.7) 77.24,25.7 U6.4
  Bottom w0.5: v1(74.55,25.7) 72.94,24.09 51.53,24.09 v2(50.97,24.65)
/SPI0_CE0_N: length 95
  Top w0.2: v2(33.25,26.47) 33.52,26.75 43,26.75 43.3,26.45 Module2.39 ; v2(27.25,68.67) 26.65,68.07 26.65,54.5 26.05,53.9 26.05,48.56 33.25,41.36 v2(33.25,31) ; v2(34.88,68.67) U5.18 ; U8.16 45.54,79.39 38.87,72.73 38.87,69.13 v2(39.3,68.7)
  Bottom w0.2: v2(27.25,68.67) v2(34.88,68.67) 34.9,68.7 v2(39.3,68.7) ; v2(33.25,26.47) v2(33.25,31)
/SPI0_MISO: length 85.7
  Top w0.2: Module2.40 43.3,32.58 26.95,48.93 26.95,53.52 ; v2(38.58,66.25) 38.58,72.85 44.27,78.55 U8.15 ; 26.95,53.53 26.95,53.53 27.58,54.16 27.58,65.6 v2(28.2,66.22) ; v2(34.25,66.22) 34.25,80.36 U5.17
  Bottom w0.2: v2(38.58,66.25) 34.27,66.25 v2(34.25,66.22) v2(28.2,66.22)
/SPI0_MOSI: length 85.8
  Top w0.2: v2(28.23,65.53) 28.2,65.5 28.2,54.36 27.4,53.56 27.4,48.9 44.4,31.9 44.4,29.83 44.1,29.53 Module2.44 ; v2(33.5,65.5) 33.5,80.31 U5.16 ; v2(37.95,65.53) 37.95,72.65 43,77.7 U8.14
  Bottom w0.2: v2(28.23,65.53) 33.48,65.53 v2(33.5,65.5) 37.92,65.5 v2(37.95,65.53)
/SPI0_SCLK: length 82.9
  Top w0.2: v2(28.17,67.28) 27.27,66.38 27.27,54.28 26.65,53.65 26.65,48.81 42.9,32.55 Module2.38 ; U5.14 32.25,80.36 v2(32.25,67.3) ; U8.13 41.73,76.88 37.35,72.5 v2(37.35,67.35)
  Bottom w0.2: v2(37.35,67.35) 37.3,67.3 v2(32.25,67.3) 32.23,67.28 v2(28.17,67.28)
/TXD0: length 57.2
  Top w0.2: Module2.55 46.5,27.7 v2(46.45,27.75) ; U311.5 76.84,51.59 76.3,51.05 74.6,51.05 v2(74.2,50.65) ; v2(62.8,29.9) v2(62.8,50.65)
  Bottom w0.2: v2(62.8,29.9) 62.8,27.95 61.85,27 49.1,27 47.2,27 v2(46.45,27.75) ; v2(62.8,50.65) v2(74.2,50.65)
/TXD3: length 88.8
  Top w0.2: J4.B11 21.78,96.69 20,94.9 20,88.83 17.15,85.98 17.15,67.13 17.67,66.6 v2(18.17,66.6) ; v2(29.35,64.72) 28.5,63.87 28.5,54.23 27.86,53.6 27.86,48.86 46.1,30.62 Module2.54
  Bottom w0.2: v2(29.35,64.72) 24.83,64.72 22.95,66.6 v2(18.17,66.6)
/USB2_D_N: length 85.8
  Top w0.2: v2(35.9,55.2) 35.96,55.2 36.07,55.31 36.07,59.89 Module2.103 ; v2(35.1,7.4) 33.15,9.35 33.15,25.08 29,29.23 29,43.67 24.75,47.92 v2(24.75,54.4) ; J6.A6 J6.B7
  Bottom w0.2: v2(35.1,7.4) 35.22,7.52 47.64,7.52 49.15,9.03 49.15,10.66 J6.B7 ; v2(35.9,55.2) 35.78,55.08 25.43,55.08 v2(24.75,54.4)
/USB2_D_P: length 84.3
  Top w0.2: v2(35.9,54.5) 36.53,55.13 36.53,59.89 Module2.105 ; v2(25.45,54.4) 25.25,54.2 25.25,48.17 29.5,43.92 29.5,29.37 33.6,25.27 33.6,9.54 35.04,8.1 v2(35.1,8.1) ; J6.A7 J6.B6
  Bottom w0.2: J6.B6 48.69,10.66 48.69,9.21 47.46,7.98 35.22,7.98 v2(35.1,8.1) ; v2(35.9,54.5) 35.78,54.62 25.61,54.62 25.45,54.46 v2(25.45,54.4)
/USB2_VBUS: length 19
  Top w1: 54.08,14.65 47.73,14.65 45.75,12.67 J6.B4 ; 54.08,14.65 D5.2 ; 54.08,14.65 52.09,12.67 J6.B9
/WIFI_LED: length 40.8
  Top w0.2: D308.2 12.98,28.62 17,24.6 27.95,24.6 v2(29.09,25.74) ; v2(30,30.62) 30,30.35 32.25,28.1 44.2,28.1 44.5,28.4 Module2.46
  Bottom w0.2: v2(30,30.62) 29.1,29.72 29.1,25.75 v2(29.09,25.74)
Net-(C4-Pad1): length 3.8
  Top w0.2: 53.78,87.78 53.78,88.7 54.1,89.03 55.1,89.03 55.58,88.55 C4.1
Net-(C7-Pad1): length 11.5
  Top w0.2: 53.2,77.72 54.65,76.28 56.38,76.28 58.15,78.05 U10.20
  Top w0.5: C7.1 53.38,79.9 53.2,79.72 53.2,77.72
Net-(C8-Pad2): length 3.7
  Top w0.5: 57.54,72.48 C8.2 55.86,74.46
Net-(D301-Pad1): length 1.7
  Top w0.5: D301.1 R22.1
Net-(D302-Pad1): length 1.7
  Top w0.5: D302.1 R21.1
Net-(D308-Pad1): length 1.7
  Top w0.5: R91.1 D308.1
Net-(J6-PadA5): length 12.2
  Top w0.2: v2(40.7,13.35) R2.1
  Bottom w0.2: v2(40.7,13.35) 49.82,13.35 J6.A5
Net-(J6-PadB5): length 11
  Top w0.2: J6.B5 44.84,8.9 40.3,8.9 39.05,10.15 39.05,11.74 R8.2
Net-(J304-Pad2): length 4.4
  Top w0.5: J304.2 U310.9
Net-(J311-Pad3): length 12.5
  Top w0.2: U311.3 76.33,49.15 76.57,48.9 78.47,48.9 80.15,47.22 80.15,44.4 79.25,43.5 77.61,43.5 J311.3
Net-(J311-Pad4): length 12.3
  Top w0.2: U311.2 75.82,49.15 75.57,48.9 73.87,48.9 72,47.03 72,44.4 72.9,43.5 74.54,43.5 J311.4
Net-(R5-Pad1): length 5.5
  Top w0.2: U10.21 58.55,77.65 57.58,76.67 57.58,74.51 57.45,74.39
Net-(R6-Pad1): length 19.8
  Top w0.2: R6.1 79.16,65.59 76.65,68.1 72.42,68.1 70.07,70.45 70.07,74.94 68.57,76.45 U10.47
Net-(R7-Pad2): length 13.7
  Top w0.2: U10.46 68.54,76.05 69.78,74.82 69.78,70.33 72.3,67.8 72.52,67.8 72.8,67.53 R7.2
Net-(R15-Pad1): length 2.6
  Top w0.5: U2.8 24.28,82.24
Net-(R18-Pad2): length 1.9
  Top w0.5: U6.5 80.21,28.65

## Copper pours and planes (outline as drawn; the poured copper is in the pictures)
+1V8 on Top: 52.7,31.75 54.6,31.75 54.6,29.55 53.5,29.55 53.5,28.65 52.7,28.65
+1V8 on Bottom: 52.7,32.47 54.7,32.47 54.7,29.38 52.7,29.38
+3V3 on Top: 76.08,52.17 75.08,52.17 75.08,53.45 76.08,53.45
+3V3 on Top: 67.75,71.47 61.67,71.45 61.67,73.33 62.55,73.33 62.55,74.6 62.95,74.6 62.95,73.33 66.15,73.33 66.15,75.45 67.75,75.45
+3V3 on Top: 71.65,75.65 69.6,75.65 68.6,76.65 66.1,76.65 66.1,77.45 71.65,77.45
+3V3 on Top: 26,4.5 5.52,4.5 3.3,6.88 3.32,23.97 26,24
+3V3 on Top: 50.7,31.75 52.7,31.75 52.7,28.65 50.7,28.65
+3V3 on Bottom: 50.5,32.47 52.5,32.47 52.5,29.38 50.5,29.38
+3V3 on In2.Cu: -1.43,102.03 86.3,102 86.17,-0.52 -1.68,-0.57 -1.5,102.03
+5V on Top: 7.1,68.1 7.1,73.85 5.2,75.75 4.8,75.75 4.8,77.95 5.7,77.95 5.7,81.5 2.9,81.5 2.9,82.55 6.3,82.55 6.9,82.05 6.9,75.55 13.45,75.55 13.45,67.35 11.5,65.5 6.32,65.5
/VIN on Top: 7.1,82.2 6.5,82.7 3.3,82.7 3.3,86.5 4.46,86.5 4.46,84.1 8.5,84.1 8.5,78 9,78 9,75.7 7.1,75.7
GND on Top: 13.45,83.3 13.45,75.6 9.05,75.6 9.1,78.1 8.55,78.1 8.5,84.1 12.65,84.1
GND on Top: 77.53,49.28 76.58,49.28 76.58,50.6 77.53,50.6
GND on Top: 43,71 45,70 46,67.53 43.5,63.5 55.5,63.5 55.5,58.85 35.5,58.75 35.5,63.5 42.5,63.5 40,67.54 41,70
GND on Top: 86.7,0.05 63.65,0.03 63.72,13.82 70.72,13.8 72.12,15.35 72.12,16.1 75.5,16.1 75.5,17.5 82,17.5 82,30.5 79.5,31.5 79.5,38.5 82,39.5 82,47 79.09,49.5 79,53 82,55.5 82,68.5 86.5,68.5
GND on In1.Cu: -1.43,102 86.3,101.97 86.17,-0.55 -1.68,-0.6 -1.5,102
/B_OUT on Bottom: 68,86.4 66,86.4 66,88.65 68,88.65
/G_OUT on Bottom: 70.58,86.38 68.58,86.38 68.58,88.62 70.58,88.62
/GPO_1_OUT on Bottom: 66.15,69.45 64.05,69.45 64.05,71.4 66.15,71.4
/GPO_2_OUT on Bottom: 68.7,69.45 66.6,69.45 66.6,71.4 68.7,71.4
/GPO_3_OUT on Bottom: 71.7,69.45 69.6,69.45 69.6,71.4 71.7,71.4
/GPO_4_OUT on Bottom: 79.72,69.45 77.62,69.45 77.62,71.4 79.72,71.4
/GPO_5_OUT on Bottom: 77.17,69.47 75.08,69.47 75.08,71.42 77.17,71.42
/GPO_6_OUT on Bottom: 74.25,69.45 72.15,69.45 72.15,71.4 74.25,71.4
/GPO_7_OUT on Bottom: 81.7,86.38 79.6,86.38 79.6,88.33 81.7,88.33
/GPO_8_OUT on Bottom: 79.12,86.38 77.03,86.38 77.03,88.33 79.12,88.33
/GPO_9_OUT on Bottom: 76.12,86.38 74.03,86.38 74.03,88.33 76.12,88.33
/R_OUT on Bottom: 73.6,86.38 71.5,86.38 71.5,88.33 73.6,88.33
Net-(D1-Pad1) on Top: 0.77,81.45 5.45,81.45 5.45,80.2 2.55,80.2 2.55,75.5 5.05,75.5 6.25,74.3 6.23,68.38 0.82,63
Net-(D4-Pad1) on Top: 53.1,25.25 61.8,25.25 61.75,19.1 61.7,16.75 56.85,16.75 56.75,18.6 56.7,24.4 50.7,24.4 50.7,26.45 53.1,26.45

## Text on the board
F.Fab: Module2A | Module2B
